# Altium PCB m-BLANC.PcbDoc (part 3 of 15)
Units mm, origin at the board's own origin, x right, y up, seen from the top; angles counter-clockwise.
Board outline 100 x 100 mm, 6 copper layers (Top Layer, InLayer1 (GND), InLayer2 (Signal), InLayer3 (PWR), InLayer4 (GND), Bottom Layer), stack 1.634 mm thick; 322 components, 563 nets, 2865 pads, 1870 vias.
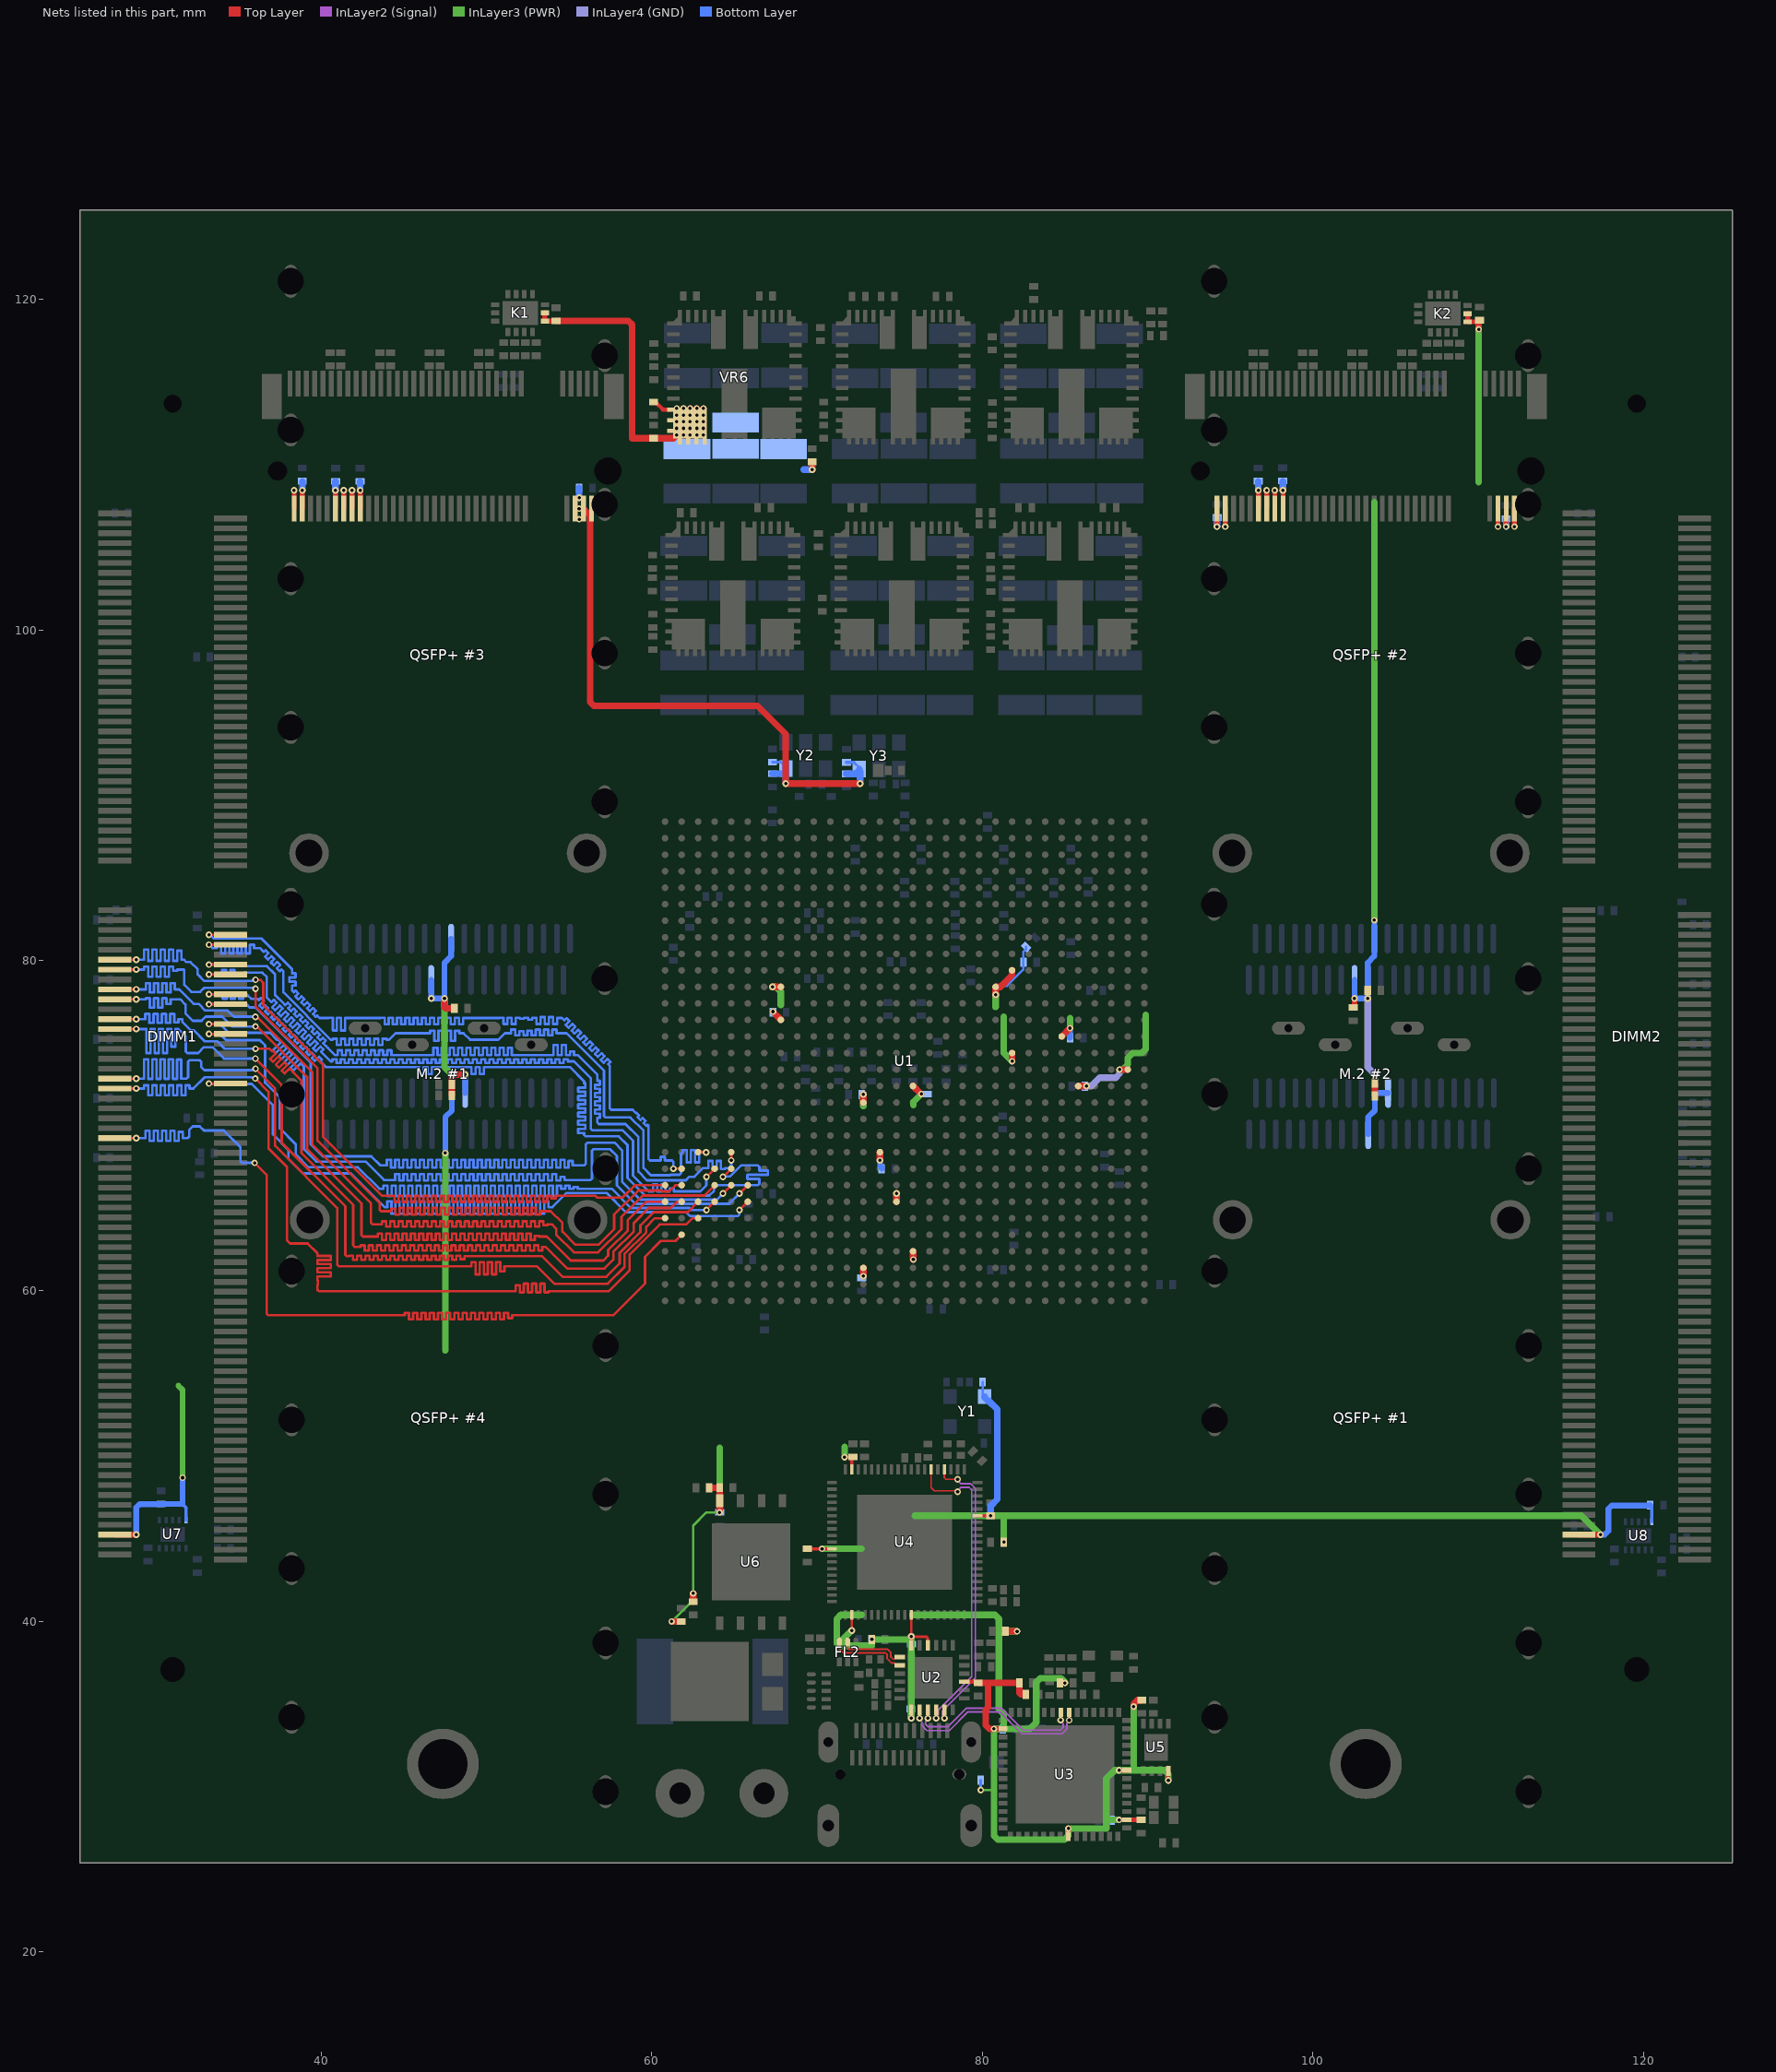
[diagram p7: the nets of this part, all layers, seen from the top]

## Via types
v1: diameter 0.4, hole 0.2, Top Layer to Bottom Layer, tented both sides, 1808 vias
v2: diameter 0.8, hole 0.4, Top Layer to Bottom Layer, tented both sides, 54 vias
v3: diameter 5, hole 3.2, Top Layer to Bottom Layer, 4 vias
v4: diameter 3.5, hole 3.2, Top Layer to Bottom Layer, 4 vias

## Nets (pads, with @x,y where several pads share a name; then routed paths per layer and width w, separated by ;. In a path a pad name is that pad's centre, name@x,y a point inside that pad or via, vN(x,y) a via of type N, cw(c..) or ccw(c..) an arc to the next point about the centre after c; other vN are vias at no path point) (continued)
3.3V: "M.2 #1.2" "M.2 #1.4" "M.2 #1.12" "M.2 #1.14" "M.2 #1.16" "M.2 #1.18" "M.2 #1.70" "M.2 #1.72" "M.2 #1.74" "M.2 #2.2" "M.2 #2.4" "M.2 #2.12" "M.2 #2.14" "M.2 #2.16" "M.2 #2.18" "M.2 #2.70" "M.2 #2.72" "M.2 #2.74" "QSFP+ #1.10" "QSFP+ #1.29" "QSFP+ #1.30" "QSFP+ #2.10" "QSFP+ #2.29" "QSFP+ #2.30" "QSFP+ #3.10" "QSFP+ #3.29" "QSFP+ #3.30" "QSFP+ #4.10" "QSFP+ #4.29" "QSFP+ #4.30" C3.2 C10.2 C15.1 C31.1 C33.1 C71.1 C72.1 C73.1 C74.1 C75.1 C83.1 C89.2 C90.2 C154.2 C155.2 C156.2 C157.2 C158.2 C159.2 C160.2 C161.2 C162.2 C163.2 C164.2 C165.2 C166.2 C167.2 C168.2 C169.2 C170.2 C171.2 C175.1 C176.1 C181.2 C182.2 C183.2 C184.2 C185.2 C186.2 C187.2 C188.2 C189.2 C190.2 DIMM1.199 DIMM2.199 FB2.2 FB3.2 FB4.1 K1.12 K1.13 K2.12 K2.13 R2.2 R3.1 R6.1 R9.2 R10.1 R13.1 R15.2 R16.2 R17.2 R18.2 R19.2 R20.2 R54.2 R58.1 R62.1 R63.2 R66.1 R76.2 U1.AC11 U1.AC13 U1.B16 U1.E17 U1.F14 U1.J10 U1.J15 U1.K11 U1.R17 U1.R27 U1.T24 U1.U21 U1.V18 U1.V28 U2.1 U2.9 U2.16 U2.18 U3.16 U3.36 U3.44 U3.50 U4.14 U4.37 U4.49 U4.59 U4.68 U5.8 U6.8 U7.10 U8.10 VR6.9 VR6.10 VR6.11 VR6.12 VR6.13 VR6.14 VR6.15 Y1.4 Y2.6 Y3.6 | length 379.3
  Top Layer w0.14: v1(75.701,39.098) v1@75.726,39.073
  Top Layer w0.15: C160.2@47.898,71.821 C160.2@47.899,71.822 ; C161.2@47.9,72.5 C161.2@47.9,72.5 ; R19.2@64.09,48.09 R19.2@64.1,48.1 ; v1(71.663,49.94) 71.668,49.945 72.167,49.945 FB4.1@72.171,49.95 ; v1(72.1,39.45) U4.59@72.1,40.4 ; v1@75.7,39.099 U4.68@75.7,40.4 ; v1@75.726,39.073 76.628,39.073 76.69,39.01 76.69,38.561 U2.16@76.703,38.548 ; C164.2@102.431,77.154 C164.2@102.52,77.244 ; v1(103.32,77.7) 103.321,77.701 R66.1@103.322,78.193 R66.1@103.322,78.193
  Top Layer w0.2: C10.2@69.4,44.4 v1(70.3,44.4) U4.49@70.9,44.4 ; U4.37@72.1,49.2 FB4.1@72.1,49.879 ; U4.14@79.7,46.4 v1(80.5,46.4)
  Top Layer w0.25: R54.2@60.1,113.8 60.175,113.725 60.286,113.725 60.668,113.343 VR6.9@61.125,113.343 ; v1(75.702,34.14) U2.1@75.703,34.648 ; U2.18@75.702,38.549 v1@75.702,39.097 ; U2.9@78.903,36.348 79.685,36.348 C15.1@79.743,36.29 ; v1@91.251,30.387 U5.8@91.252,30.951
  Top Layer w0.3: 38.35,107.35 v1(38.35,108.45) ; 38.85,107.35 v1(38.85,108.45) ; 40.85,107.35 v1(40.85,108.45) ; 41.35,107.35 v1(41.35,108.45) ; 41.85,107.35 v1(41.85,108.45) ; 42.35,107.35 v1(42.35,108.45) ; K1.13@53.527,119.181 K1.12@53.527,118.681 54.063,118.681 54.082,118.7 C89.2@54.2,118.7 ; v1(80.7,33.5) U3.16@81.247,33.5 ; U3.36@85.198,27.002 v1@85.198,27.473 ; v1@88.272,27.991 v1(88.275,27.991) 88.286,28 C3.2@89.591,28 ; v1@88.272,31 U3.50@88.747,31 ; v1(94.2,106.25) 94.2,107.35 ; v1(94.7,106.25) 94.7,107.35 ; 96.7,107.35 v1(96.7,108.45) ; 97.2,107.35 v1(97.2,108.45) ; 97.7,107.35 v1@97.7,108.439 ; 98.2,107.35 v1@98.2,108.438 ; C171.2@103.75,72.501 v1(103.75,73.1) ; K2.13@109.37,119.142 K2.12@109.37,118.642 109.915,118.642 110.015,118.742 C90.2@110.09,118.742 ; v1(111.2,106.25) 111.2,107.35 ; v1(111.7,106.25) 111.7,107.35 ; v1(112.2,106.25) 112.2,107.35
  Top Layer w0.35: DIMM1.199@27.5,45.25 v1(28.8,45.25) ; C164.2@102.52,77.244 v1(102.52,77.7) ; DIMM2.199@116.1,45.25 v1(117.4,45.25)
  Top Layer w0.4: v1(47.45,77.7) 47.45,77.15 47.504,77.096 C170.2@47.87,77.096 ; C160.2@47.899,71.822 C161.2@47.9,72.5 ; C161.2@47.9,72.5 v1(47.9,73.1) v1(48.7,73.1) ; C89.2@54.2,118.7 58.578,118.7 58.813,118.466 58.813,111.6 61.307,111.6 v1(61.504,111.797) VR6.9@61.504,111.913 ; 55.833,107.35 56.27,106.913 56.27,106.543 56.271,106.541 56.271,95.634 56.506,95.4 66.4,95.4 68.1,93.7 v1(68.1,90.7) v1(72.6,90.7) ; v1(61.2,40) R17.2@61.771,40.001 ; VR6.9@61.493,113.006 VR6.9@61.493,113.211 ; VR6.9@61.499,112.2 v1(61.504,112.2) v1(61.91,112.2) VR6.9@61.973,112.2 ; VR6.9@61.5,112.599 61.57,112.528 VR6.9@61.902,112.528 ; VR6.9@61.504,111.969 61.75,111.969 VR6.9@62.312,112.531 ; v1(61.504,113.006) 61.979,112.531 VR6.9@62.139,112.531 ; VR6.9@61.625,113.218 VR6.9@61.876,112.967 ; VR6.9@61.902,112.603 VR6.9@61.976,112.528 ; VR6.9@61.914,111.797 62.114,111.997 62.114,112 VR6.9@62.301,112.187 ; VR6.9@61.914,113.408 61.914,112.928 VR6.9@62.147,112.696 ; VR6.9@62.16,112.043 62.16,111.838 VR6.9@62.2,111.797 ; VR6.9@62.301,111.797 VR6.9@62.301,112.187 ; VR6.9@62.301,112.2 VR6.9@62.301,112.187 ; VR6.9@62.301,113.005 62.301,112.629 VR6.9@62.325,112.605 ; VR6.9@62.307,112.2 VR6.9@62.307,112.523 ; VR6.9@62.312,112.195 VR6.9@62.312,112.198 ; VR6.9@62.312,112.805 VR6.9@62.312,113.006 ; v1(62.314,112.2) VR6.9@62.312,112.198 ; VR6.9@62.314,112.528 62.548,112.295 VR6.9@62.615,112.295 ; v1(62.314,112.603) 62.312,112.601 VR6.9@62.312,112.531 ; v1(62.314,113.408) 62.312,113.406 VR6.9@62.312,113.006 ; VR6.9@62.343,112.644 VR6.9@62.707,113.008 ; VR6.9@62.375,112.603 VR6.9@62.612,112.603 ; R18.2@62.5,41.2 v1(62.5,41.7) ; VR6.9@62.539,112.531 VR6.9@62.612,112.603 ; VR6.9@62.614,112.605 VR6.9@62.612,112.603 ; VR6.9@62.632,112.295 VR6.9@62.615,112.295 ; VR6.9@62.67,112.16 62.705,112.125 VR6.9@62.705,111.797 ; VR6.9@62.707,112.603 VR6.9@62.612,112.603 ; VR6.9@62.71,112.2 VR6.9@62.615,112.295 ; v1(62.715,113.408) VR6.9@62.312,113.006 ; VR6.9@62.742,112.162 VR6.9@63.108,111.797 ; VR6.9@62.748,113.036 v1(63.119,113.408) ; VR6.9@62.778,113.006 VR6.9@63.108,113.006 ; VR6.9@62.784,112.528 VR6.9@63.113,112.2 ; VR6.9@62.784,112.603 VR6.9@63.11,112.603 ; C162.2@63.467,48.09 R19.2@64.09,48.09 ; v1(64.1,46.6) 64.1,47.295 R19.2@64.1,48.1 ; v1(67.302,78.4) U1.AC11@67.8,78.4 ; v1(67.334,76.905) 67.334,76.886 67.8,76.419 U1.AC13@67.8,76.4 ; R58.1@69.697,110.179 R58.1@69.696,110.177 69.7,110.174 v1(69.7,109.7) ; v1(72.8,60.9) U1.V28@72.8,61.4 ; U1.V18@72.8,71.4 v1(72.8,71.9) ; v1(73.8,67.9) U1.U21@73.8,68.4 ; U1.T24@74.8,65.4 v1@74.8,65.898 ; v1@75.7,39.099 v1(75.701,39.098) ; U1.R27@75.8,62.4 75.813,62.388 75.813,61.912 v1(75.825,61.9) ; U1.R17@75.8,72.4 75.808,72.4 76.292,71.916 v1(76.3,71.916) ; C15.1@79.743,36.29 80.337,36.29 ; v1(80.7,33.5) 80.422,33.5 80.2,33.722 80.2,34.663 80.337,34.8 80.337,36.29 ; v1(80.8,77.922) U1.K11@80.8,78.4 81.093,78.4 81.8,79.107 U1.J10@81.8,79.4 ; R10.1@81.389,39.4 v1(82.1,39.4) ; v1(81.8,73.9) U1.J15@81.8,74.4 ; FB2.2@82.639,35.587 82.626,35.6 82.321,35.6 82.233,35.688 82.233,36.29 80.337,36.29 ; U1.F14@84.8,75.4 v1(85.3,75.9) ; v1@85.198,27.473 v1(85.2,27.475) ; U1.E17@85.8,72.4 v1(86.3,72.4) ; v1(88.3,73.4) U1.B16@88.8,73.4 ; v1(89.151,34.846) 89.151,35.006 89.386,35.24 R9.2@89.645,35.24 ; v1(98.188,108.45) v1@98.194,108.445 ; C187.2@103.745,71.802 C171.2@103.745,72.59 ; C90.2@109.983,118.692 110.032,118.741 110.033,118.74 v1(110.033,118.196) ; VR6.9@62.301,112.187 VR6.9@62.312,112.198 ; VR6.9@62.312,112.198 VR6.9@62.312,112.531
  InLayer3 (PWR) w0.15: 47.4,56.3 47.5,56.4 ; v1(61.2,40) 62.475,41.275 62.475,41.675 v1(62.5,41.7) 62.5,45.8 63.3,46.6 v1(64.1,46.6) ; 71.193,38.671 71.263,38.671 71.31,38.671 ; 71.609,50.509 71.7,50.6 ; v1@72.089,39.45 v1(72.1,39.45) ; v1(79.9,29.8) 80.7,29.8 ; 80.7,77.1 80.8,77.2 ; 103.72,107.72 103.8,107.8
  InLayer3 (PWR) w0.35: 31.346,54.266 31.6,54.013 v1(31.6,48.7)
  InLayer3 (PWR) w0.4: v1(47.45,77.7) 47.45,73.55 v1(47.9,73.1) ; 47.5,56.4 v1(47.5,68.35) ; v1(64.1,46.6) 64.1,50.5 ; v1(67.302,78.4) 67.509,78.4 67.802,78.107 67.802,77.302 67.8,77.3 ; v1(70.3,44.4) 72.7,44.4 ; 71.193,38.671 71.337,38.527 73.31,38.527 ; 71.263,38.671 71.2,38.734 71.2,40.167 71.434,40.402 72.694,40.402 ; 71.31,38.671 v1@72.089,39.45 ; v1(71.663,49.94) 71.663,50.563 ; 72.8,71.2 v1(72.8,71.9) ; 73.31,38.6 v1(73.31,38.913) 75.516,38.913 ; 75.701,35.203 v1(75.701,39.098) ; v1(75.702,34.14) 75.702,35.202 ; 75.783,40.396 80.766,40.396 81,40.161 81,39.4 ; 75.819,71.238 75.819,71.435 v1(76.3,71.916) ; 75.9,46.4 v1(80.5,46.4) 116.25,46.4 v1(117.4,45.25) ; 80.8,77.2 v1(80.8,77.922) ; v1(81.3,44.8) 81.3,46.4 ; 81.3,76.6 81.3,74.4 v1(81.8,73.9) ; v1(82.1,39.4) 81,39.4 ; v1(84.994,36.279) 84.994,36.331 84.759,36.566 83.491,36.566 83.257,36.331 83.257,33.891 82.866,33.5 81.3,33.5 ; v1(85.3,75.9) 85.3,76.5 ; 87.5,27.475 v1(85.2,27.475) 85.2,27.034 84.966,26.8 80.934,26.8 80.7,27.034 80.7,29.8 v1(80.7,33.5) 81.3,33.5 ; 87.5,27.5 87.5,27.991 ; v1@88.272,27.991 87.5,27.991 ; v1(88.3,73.4) 88.507,73.4 88.8,73.693 88.8,74.107 89.093,74.4 89.645,74.4 89.879,74.634 89.879,76.7 ; v1(89.151,34.846) 89.151,31.088 89.064,31 ; v1(91.25,30.387) 91.25,30.766 91.016,31 89.064,31 ; v1(103.72,82.44) 103.72,107.72 ; 110.033,108.933 v1(110.033,118.196) ; 81,39.4 81,34.7 81.3,34.4 81.3,33.5 ; 87.5,27.991 87.5,30.502 87.998,31 89.064,31
  InLayer4 (GND) w0.4: v1(86.3,72.4) 86.593,72.4 87.093,72.9 88.066,72.9 88.3,73.134 v1(88.3,73.4) ; v1(103.32,77.7) 103.32,73.53 v1(103.75,73.1)
  Bottom Layer w0.15: C169.2@38.839,109.003 C169.2@38.85,108.992 ; C159.2@40.85,108.984 C159.2@40.857,108.991 ; C188.2@42.345,108.989 C188.2@42.35,108.984 ; C168.2@55.596,108.591 C168.2@55.598,108.59 ; v1@55.598,108.002 v1(55.6,108) ; R63.2@67.3,92 67.775,92 68.1,91.675 Y2.6@68.1,91.6 Y2.6@67.8,91.3 ; v1(69.7,109.7) 69.7,109.726 v1@69.726,109.7 ; Y3.6@72.225,91.986 72.55,91.661 Y3.6@72.55,91.589 ; Y3.6@72.55,91.49 Y3.6@72.6,91.44 ; C158.2@75.667,34.708 C158.2@75.702,34.673 ; C155.2@75.701,38.636 C155.2@75.705,38.632 ; v1(79.9,29.8) R15.2@79.9,30.4 ; C83.1@80.016,54.489 80.016,53.722 Y1.4@80.138,53.6 ; v1(80.8,77.922) 80.848,77.97 80.848,78.197 81.114,78.463 81.496,78.463 82.474,79.441 82.474,80.509 82.642,80.677 C182.2@82.642,80.818 ; C157.2@81.226,33.5 C157.2@81.236,33.49 ; v1(85.3,75.9) v1@85.302,75.898 ; C181.2@85.302,75.317 C181.2@85.303,75.316 ; C154.2@87.813,27.977 C154.2@87.827,27.991 ; C165.2@96.696,109.004 C165.2@96.7,109.001 ; C190.2@98.172,109.014 C190.2@98.188,108.998 ; C167.2@111.691,106.741 C167.2@111.7,106.732
  Bottom Layer w0.2: 31.6,47.108 31.8,46.908 U7.10@31.8,46.125 ; R76.2@71.771,91.986 Y3.6@72.225,91.986 ; C33.1@120.388,47.018 C33.1@120.412,47.042 ; U8.10@120.512,46.038 C33.1@120.512,47.042
  Bottom Layer w0.35: v1(28.8,45.25) 28.8,46.895 29.005,47.1 C31.1@30.3,47.1 ; C31.1@30.308,47.108 31.6,47.108 v1@31.6,48.686 ; 46.65,78.82 v1(46.65,77.7) v1(47.45,77.7) 47.45,78.82 47.45,79.86 47.85,80.26 47.85,81.32 ; v1(47.5,68.35) 47.5,69.48 47.5,70.52 47.9,70.92 47.9,71.98 v1(47.9,73.1) ; 48.7,71.98 v1(48.7,73.1) ; v1(73.8,67.9) 73.81,67.89 C163.2@73.81,67.577 ; C163.2@73.906,67.406 C163.2@73.906,67.481 ; C181.2@85.302,75.317 v1@85.302,75.898 ; 102.52,78.82 v1(102.52,77.7) v1(103.32,77.7) 103.32,78.82 103.32,79.86 103.72,80.26 103.72,81.32 v1(103.72,82.44) ; 103.35,69.48 103.35,70.52 103.75,70.92 103.75,71.98 ; v1(103.75,73.1) 103.75,71.98 ; 104.55,71.98 103.75,71.98 ; v1@117.408,45.242 117.408,45.244 117.423,45.26 117.663,45.26 117.884,45.48 117.884,46.811 118.089,47.016 120.388,47.016 120.412,47.041 C33.1@120.412,47.042
  Bottom Layer w0.4: v1(38.85,108.45) C169.2@38.85,108.992 ; v1(40.85,108.45) C159.2@40.85,108.984 ; v1(42.35,108.45) C188.2@42.35,108.984 ; v1@55.598,108.002 C168.2@55.598,108.59 ; C175.1@67.3,91.3 Y2.6@67.8,91.3 ; v1(68.1,90.7) Y2.6@68.1,91.6 ; 69.2,109.7 v1(69.7,109.7) ; C176.1@71.751,91.29 72.35,91.29 72.55,91.49 Y3.6@72.55,91.589 ; v1(72.6,90.7) Y3.6@72.6,91.44 ; C155.2@75.701,38.636 v1(75.701,39.098) ; v1(75.702,34.14) C158.2@75.702,34.673 ; Y1.4@80.138,53.6 80.138,53.55 80.338,53.35 80.388,53.35 80.9,52.838 80.9,50.992 80.9,50.608 80.9,47.381 80.5,46.981 v1(80.5,46.4) ; v1(80.7,33.5) C157.2@81.226,33.5 ; C154.2@87.827,27.991 v1@88.272,27.991 ; v1(94.2,106.25) C166.2@94.2,106.8 ; v1(96.7,108.45) C165.2@96.7,109.001 ; v1(98.188,108.45) C190.2@98.188,108.998 ; v1(111.7,106.25) C167.2@111.7,106.732
  other v1: 88.275,31 74.8,65.9 55.6,106.7 55.595,107.342 97.689,108.45 61.91,111.797 62.314,111.797 62.715,111.797 63.119,111.797 62.715,112.2 63.119,112.2 61.504,112.603 61.91,112.603 62.715,112.603 63.119,112.603 61.91,113.006 62.314,113.006 62.715,113.006 63.119,113.006 61.504,113.408 61.91,113.408
D1_N: U2.2 U3.7 | length 11.6
  Top Layer w0.1: U3.7@85.247,34.5 85.252,34.495 v1(85.252,34.025)
  InLayer2 (Signal) w0.1: v1(76.202,34.144) 76.202,34.073 76.339,33.936 76.339,33.697 76.636,33.4 78.001,33.4 79.131,34.53 81.052,34.53 82.382,33.2 84.818,33.2 85.109,33.49 85.109,33.816 85.252,33.96 v1(85.252,34.025)
D1_P: U2.3 U3.8 | length 10.9
  Top Layer w0.1: v1(84.74,34.026) 84.74,34.493 U3.8@84.747,34.5
  InLayer2 (Signal) w0.1: v1(76.702,34.14) 76.702,34.069 76.564,33.932 76.564,33.79 76.729,33.625 77.908,33.625 79.038,34.755 81.145,34.755 82.475,33.425 84.725,33.425 84.884,33.583 84.884,33.818 84.74,33.961 v1(84.74,34.026)
D2_N: U2.4 U4.25 | length 18.6
  Top Layer w0.1: U4.25@76.9,49.2 76.9,48.1 77.1,47.9 78.45,47.9 v1(78.5,47.85)
  InLayer2 (Signal) w0.1: v1(77.202,34.14) 77.202,34.211 77.339,34.349 77.339,34.432 77.339,34.652 79.35,36.663 79.35,47.963 79.201,48.112 78.68,48.112 78.621,48.054 78.621,48.053 78.5,47.931 v1(78.5,47.85)
D2_P: U2.5 U4.23 | length 18
  Top Layer w0.1: U4.23@77.7,49.2 77.7,48.7 77.8,48.6 v1(78.5,48.6) ; v1(77.702,34.14) U2.5@77.702,34.647
  InLayer2 (Signal) w0.1: v1(77.702,34.14) 77.702,34.211 77.564,34.349 77.564,34.525 77.564,34.559 79.575,36.569 79.575,48.057 79.294,48.338 78.68,48.338 78.621,48.396 78.621,48.397 78.5,48.519 v1(78.5,48.6)
D_N: FL2.5 U2.19 | length 4
  Top Layer w0.1: FL2.5@71.845,38.75 71.845,38.384 71.904,38.325 74.241,38.325 74.459,38.107 74.459,37.851 74.595,37.716 74.678,37.716 74.81,37.848 U2.19@75.003,37.848
D_P: FL2.6 U2.20 | length 4.6
  Top Layer w0.1: FL2.6@71.345,38.75 71.345,38.328 71.574,38.1 74.148,38.1 74.234,38.014 74.234,37.758 74.3,37.692 74.507,37.486 74.673,37.486 74.81,37.348 U2.20@75.003,37.348
DRAM1_A0: DIMM1.98 U1.AG24 | length 66.9
  Top Layer w0.15: v1(33.2,75.55) DIMM1.98@34.5,75.55 ; v1(63.3,64.9) U1.AG24@63.8,65.4
  Bottom Layer w0.15: v1(33.2,75.55) 33.867,75.55 34.238,75.179 36.275,75.179 36.596,74.858 36.596,72.604 37.492,71.708 37.492,69.837 38.449,68.879 38.449,68.251 39.215,67.485 42.215,67.485 43.514,66.186 43.684,66.186 43.759,66.186 43.759,66.381 44.009,66.381 44.009,65.749 44.259,65.749 44.259,66.381 44.509,66.381 44.509,65.749 44.759,65.749 44.759,66.381 45.009,66.381 45.009,65.749 45.259,65.749 45.259,66.381 45.509,66.381 45.509,65.749 45.759,65.749 45.759,66.381 46.009,66.381 46.009,65.749 46.259,65.749 46.259,66.381 46.509,66.381 46.509,65.749 46.759,65.749 46.759,66.381 47.009,66.381 47.009,65.749 47.259,65.749 47.259,66.381 47.509,66.381 47.509,65.749 47.759,65.749 47.759,66.381 48.009,66.381 48.009,65.749 48.259,65.749 48.259,66.381 48.509,66.381 48.509,65.749 48.759,65.749 48.759,66.381 49.009,66.381 49.009,65.749 49.259,65.749 49.259,66.381 49.509,66.381 49.509,65.749 49.759,65.749 49.759,66.381 50.009,66.381 50.009,65.749 50.259,65.749 50.259,66.381 50.509,66.381 50.509,65.749 50.759,65.749 50.759,66.381 51.009,66.381 51.009,65.749 51.259,65.749 51.259,66.381 51.509,66.381 51.509,65.749 51.759,65.749 51.759,66.381 52.009,66.381 52.009,65.749 52.259,65.749 52.259,66.381 52.509,66.381 52.509,65.749 52.759,65.749 52.759,66.381 53.009,66.381 53.009,65.749 53.259,65.749 53.259,66.381 53.509,66.381 53.509,65.749 53.759,65.749 53.759,66.381 54.009,66.381 54.009,65.749 54.259,65.749 54.259,66.381 54.509,66.381 54.509,66.174 54.759,66.174 54.759,66.381 55.009,66.381 55.009,66.186 55.259,66.186 55.259,66.299 55.509,66.299 55.509,66.186 55.823,66.186 57.571,66.186 58.732,65.025 62.279,65.025 62.404,64.9 v1(63.3,64.9)
DRAM1_A1: DIMM1.97 U1.AH24 | length 66.6
  Top Layer w0.15: DIMM1.97@27.5,75.85 v1(28.8,75.85) ; v1(36.008,74.062) 37.6,72.469 37.6,68.97 41.446,65.124 41.446,62.188 41.533,62.1 41.593,62.1 41.668,62.1 41.668,62.136 41.918,62.136 41.918,61.882 42.168,61.882 42.168,62.136 42.418,62.136 42.418,61.882 42.668,61.882 42.668,62.136 42.918,62.136 42.918,61.882 43.168,61.882 43.168,62.136 43.418,62.136 43.418,61.882 43.668,61.882 43.668,62.136 43.918,62.136 43.918,61.882 44.168,61.882 44.168,62.136 44.418,62.136 44.418,61.882 44.668,61.882 44.668,62.136 44.918,62.136 44.918,61.882 45.168,61.882 45.168,62.136 45.418,62.136 45.418,61.882 45.668,61.882 45.668,62.136 45.918,62.136 45.918,61.882 46.168,61.882 46.168,62.136 46.418,62.136 46.418,61.882 46.668,61.882 46.668,62.136 46.918,62.136 46.918,61.882 47.168,61.882 47.168,62.136 47.418,62.136 47.418,61.882 47.668,61.882 47.668,62.136 47.918,62.136 47.918,61.882 48.168,61.882 48.168,62.136 48.418,62.136 48.418,61.929 48.668,61.929 48.668,62.1 52.3,62.1 53.355,62.1 54.6,60.855 57.237,60.855 58.049,61.666 58.049,62.3 59.309,63.56 59.309,63.97 60.113,64.775 62.175,64.775 U1.AH24@62.8,65.4
  Bottom Layer w0.15: v1(28.8,75.85) 29.093,75.85 29.418,75.85 29.418,74.393 29.668,74.393 29.668,75.863 29.918,75.863 29.918,74.393 30.168,74.393 30.168,75.863 30.418,75.863 30.418,74.393 30.668,74.393 30.668,75.863 30.918,75.863 30.918,74.786 31.168,74.786 31.168,75.85 31.291,75.85 31.35,75.85 31.796,75.404 31.796,74.488 31.883,74.4 32.541,74.4 32.893,74.752 33.409,74.752 34.1,74.062 v1(36.008,74.062)
DRAM1_A2: DIMM1.96 U1.AE23 | length 66.8
  Top Layer w0.15: v1(33.2,76.15) DIMM1.96@34.5,76.15 ; v1(65.3,65.9) U1.AE23@65.8,66.4
  Bottom Layer w0.15: v1(33.2,76.15) 33.86,76.15 34.388,75.622 36.89,75.622 37.277,75.235 37.33,75.182 37.369,75.221 37.546,75.044 37.062,74.561 37.239,74.384 37.722,74.868 37.899,74.691 37.416,74.208 37.593,74.031 38.076,74.514 38.253,74.337 37.77,73.854 37.946,73.677 38.43,74.16 38.606,73.984 38.123,73.501 38.3,73.324 38.744,73.768 38.852,73.66 38.935,73.577 38.935,68.583 39.69,67.828 42.672,67.828 43.789,66.711 44.386,66.711 44.461,66.711 44.461,67.064 44.711,67.064 44.711,66.675 44.961,66.675 44.961,67.064 45.211,67.064 45.211,66.675 45.461,66.675 45.461,67.064 45.711,67.064 45.711,66.675 45.961,66.675 45.961,67.064 46.211,67.064 46.211,66.675 46.461,66.675 46.461,67.064 46.711,67.064 46.711,66.675 46.961,66.675 46.961,67.064 47.211,67.064 47.211,66.675 47.461,66.675 47.461,67.064 47.711,67.064 47.711,66.675 47.961,66.675 47.961,67.064 48.211,67.064 48.211,66.675 48.461,66.675 48.461,67.064 48.711,67.064 48.711,66.675 48.961,66.675 48.961,67.064 49.211,67.064 49.211,66.675 49.461,66.675 49.461,67.064 49.711,67.064 49.711,66.675 49.961,66.675 49.961,67.064 50.211,67.064 50.211,66.675 50.461,66.675 50.461,67.064 50.711,67.064 50.711,66.675 50.961,66.675 50.961,67.064 51.211,67.064 51.211,66.675 51.461,66.675 51.461,67.064 51.711,67.064 51.711,66.675 51.961,66.675 51.961,67.064 52.211,67.064 52.211,66.675 52.461,66.675 52.461,67.064 52.711,67.064 52.711,66.675 52.961,66.675 52.961,67.064 53.211,67.064 53.211,66.675 53.461,66.675 53.461,67.064 53.71,67.064 53.71,66.675 53.96,66.675 53.96,67.064 54.21,67.064 54.21,66.675 54.46,66.675 54.46,66.905 54.71,66.905 54.71,66.711 56.094,66.711 56.285,66.711 56.373,66.799 56.373,68.487 56.461,68.575 57.477,68.575 57.88,68.172 57.88,66.394 58.999,65.275 64.675,65.275 v1(65.3,65.9)
DRAM1_A3: DIMM1.95 U1.AJ24 | length 67.7
  Top Layer w0.15: DIMM1.95@27.5,76.45 v1(28.8,76.45) ; v1(36.017,74.654) 36.868,74.654 36.957,74.565 37.01,74.512 37.049,74.551 37.226,74.374 36.894,74.042 37.07,73.865 37.403,74.197 37.58,74.02 37.247,73.688 37.424,73.511 37.756,73.844 37.933,73.667 37.601,73.334 37.778,73.158 38.081,73.461 38.258,73.284 38.248,73.274 38.359,73.163 38.795,72.727 38.795,68.34 41.921,65.214 41.921,62.757 42.009,62.669 42.292,62.669 42.367,62.669 42.367,62.758 42.617,62.758 42.617,62.447 42.867,62.447 42.867,62.758 43.117,62.758 43.117,62.447 43.367,62.447 43.367,62.758 43.617,62.758 43.617,62.447 43.867,62.447 43.867,62.758 44.117,62.758 44.117,62.447 44.367,62.447 44.367,62.758 44.617,62.758 44.617,62.447 44.867,62.447 44.867,62.758 45.117,62.758 45.117,62.447 45.367,62.447 45.367,62.758 45.617,62.758 45.617,62.447 45.867,62.447 45.867,62.758 46.117,62.758 46.117,62.447 46.367,62.447 46.367,62.758 46.617,62.758 46.617,62.447 46.867,62.447 46.867,62.758 47.117,62.758 47.117,62.447 47.367,62.447 47.367,62.758 47.617,62.758 47.617,62.447 47.867,62.447 47.867,62.758 48.117,62.758 48.117,62.447 48.367,62.447 48.367,62.758 48.617,62.758 48.617,62.447 48.867,62.447 48.867,62.758 49.117,62.758 49.117,62.447 49.367,62.447 49.367,62.758 49.617,62.758 49.617,62.447 49.867,62.447 49.867,62.758 50.117,62.758 50.117,62.447 50.367,62.447 50.367,62.758 50.617,62.758 50.617,62.447 50.867,62.447 50.867,62.758 51.117,62.758 51.117,62.447 51.367,62.447 51.367,62.758 51.617,62.758 51.617,62.447 51.867,62.447 51.867,62.758 52.117,62.758 52.117,62.447 52.367,62.447 52.367,62.758 52.617,62.758 52.617,62.447 52.867,62.447 52.867,62.758 53.117,62.758 53.117,62.447 53.367,62.447 53.367,62.669 53.523,62.669 53.56,62.669 54.875,61.354 57.136,61.354 57.67,61.889 57.67,62.364 58.905,63.599 58.905,64.115 59.815,65.025 61.135,65.025 61.505,65.394 61.794,65.394 U1.AJ24@61.8,65.4